# Altium PCB rev6.PcbDoc (part 1 of 4)
Units mil, origin at the board's own origin, x right, y up, seen from the top; angles counter-clockwise.
Board outline 1000 x 900 mil, 2 copper layers (Top Layer, Bottom Layer); 180 components, 16 nets, 1920 pads, 0 vias.
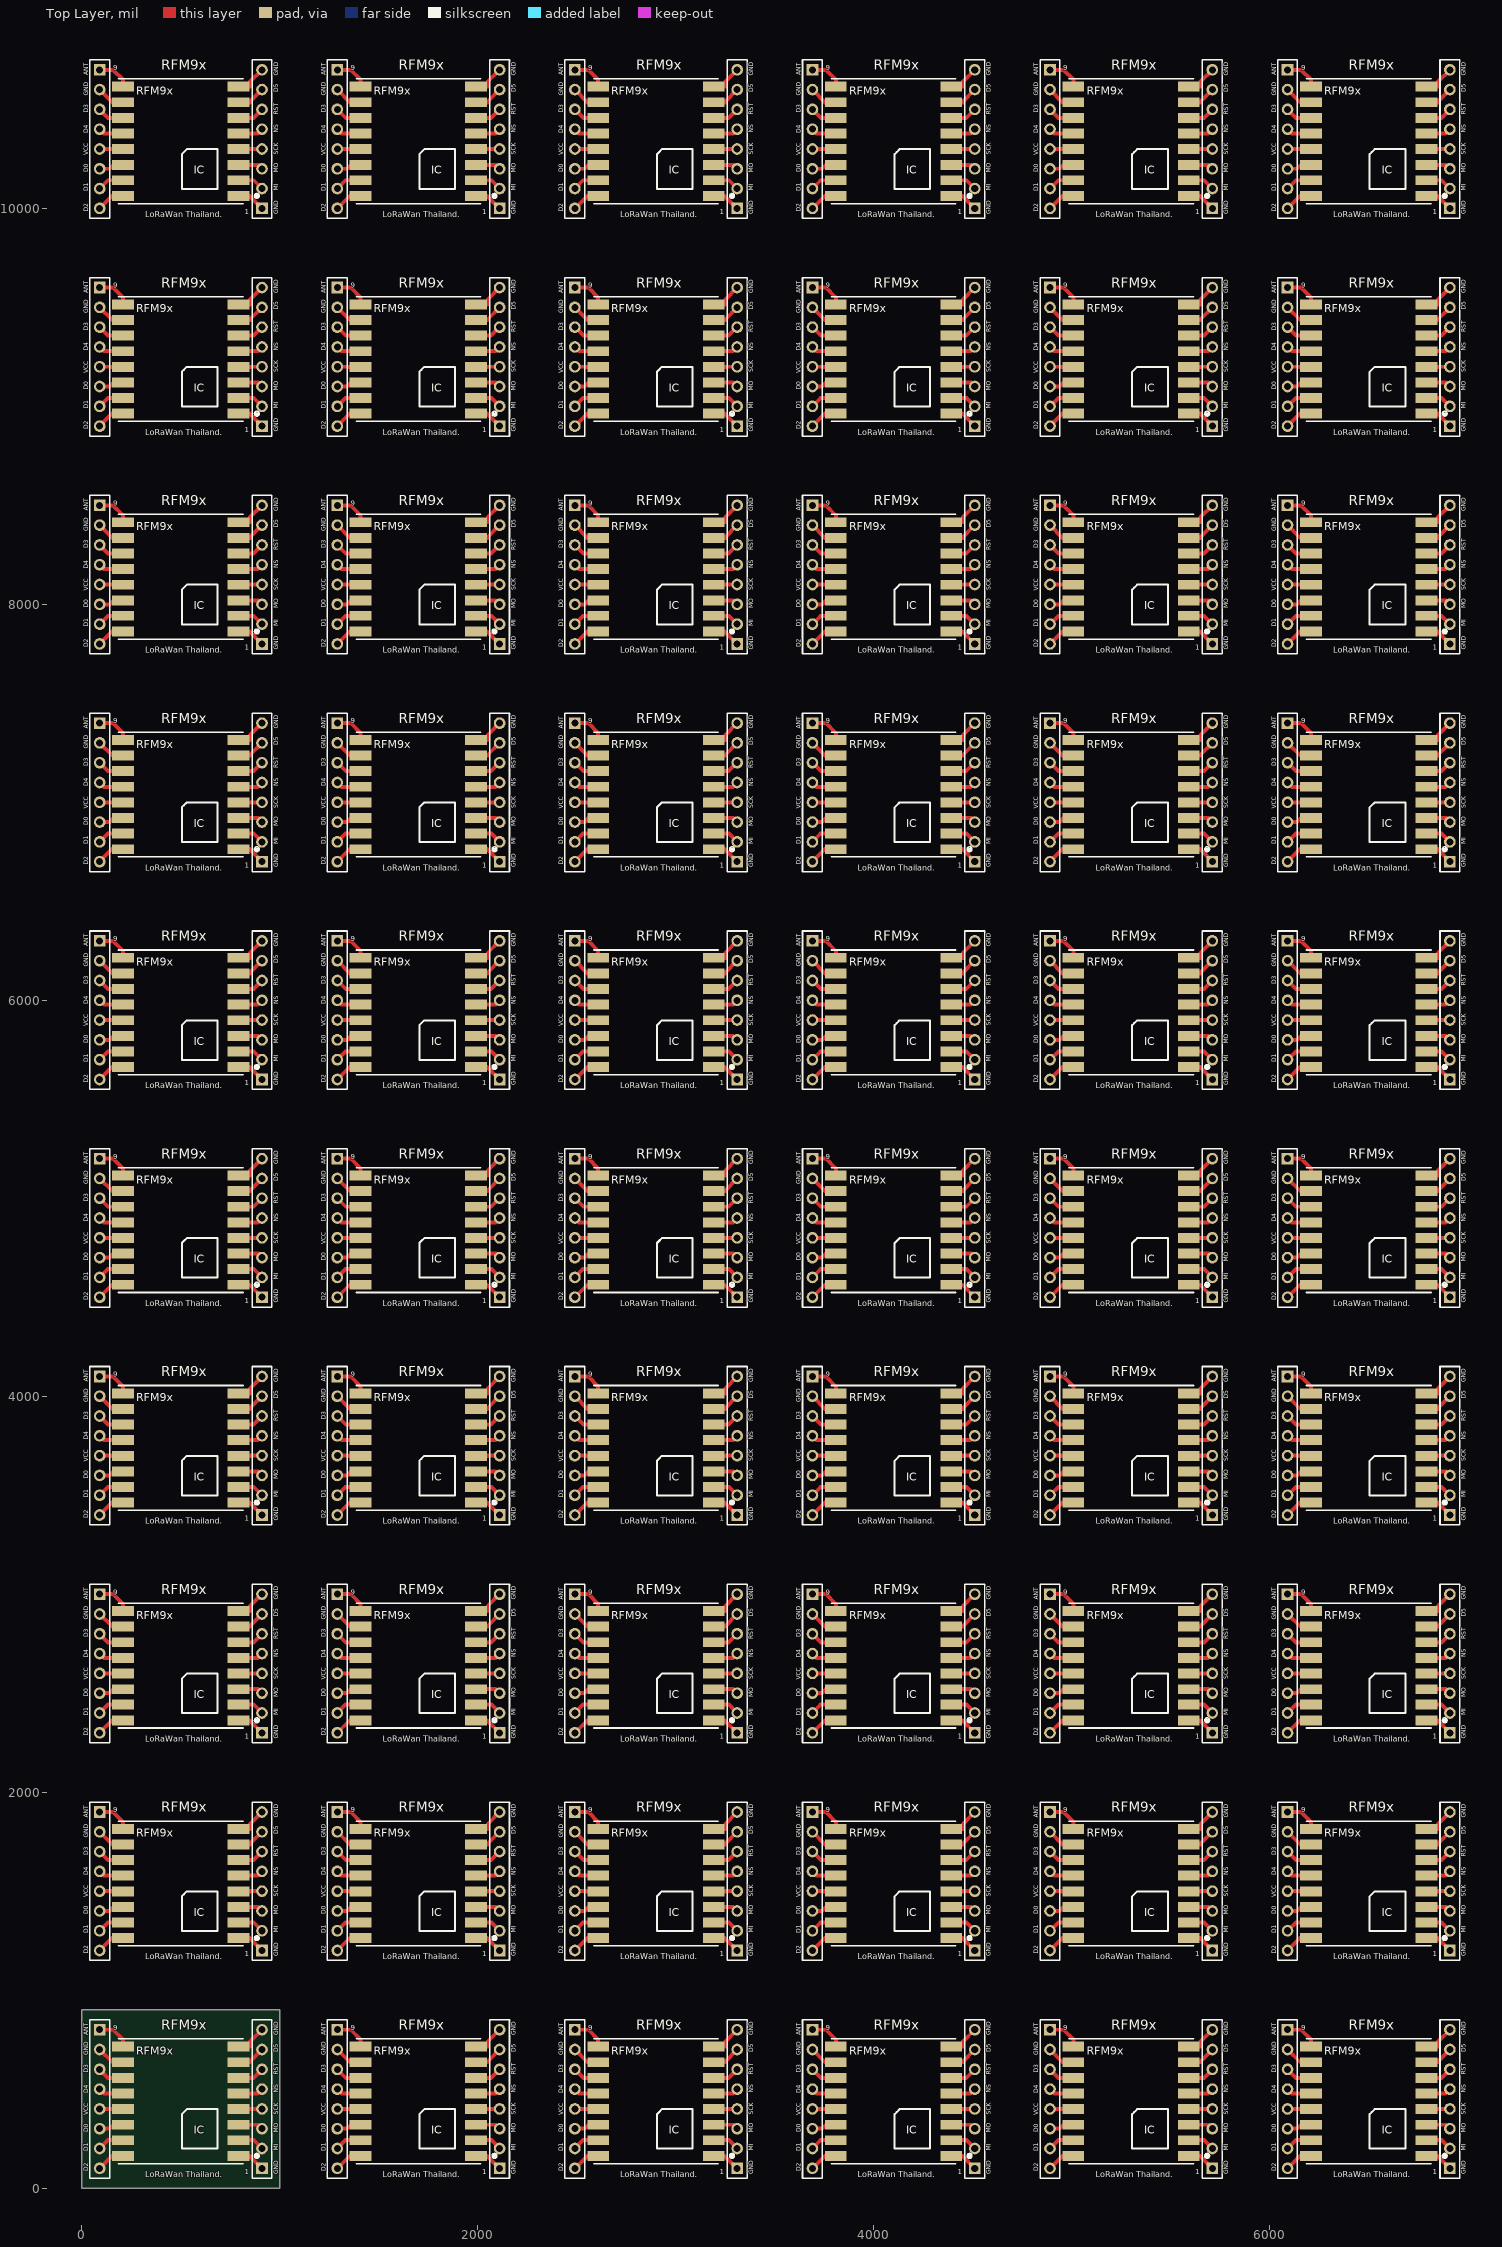
[diagram p0: Top Layer view]
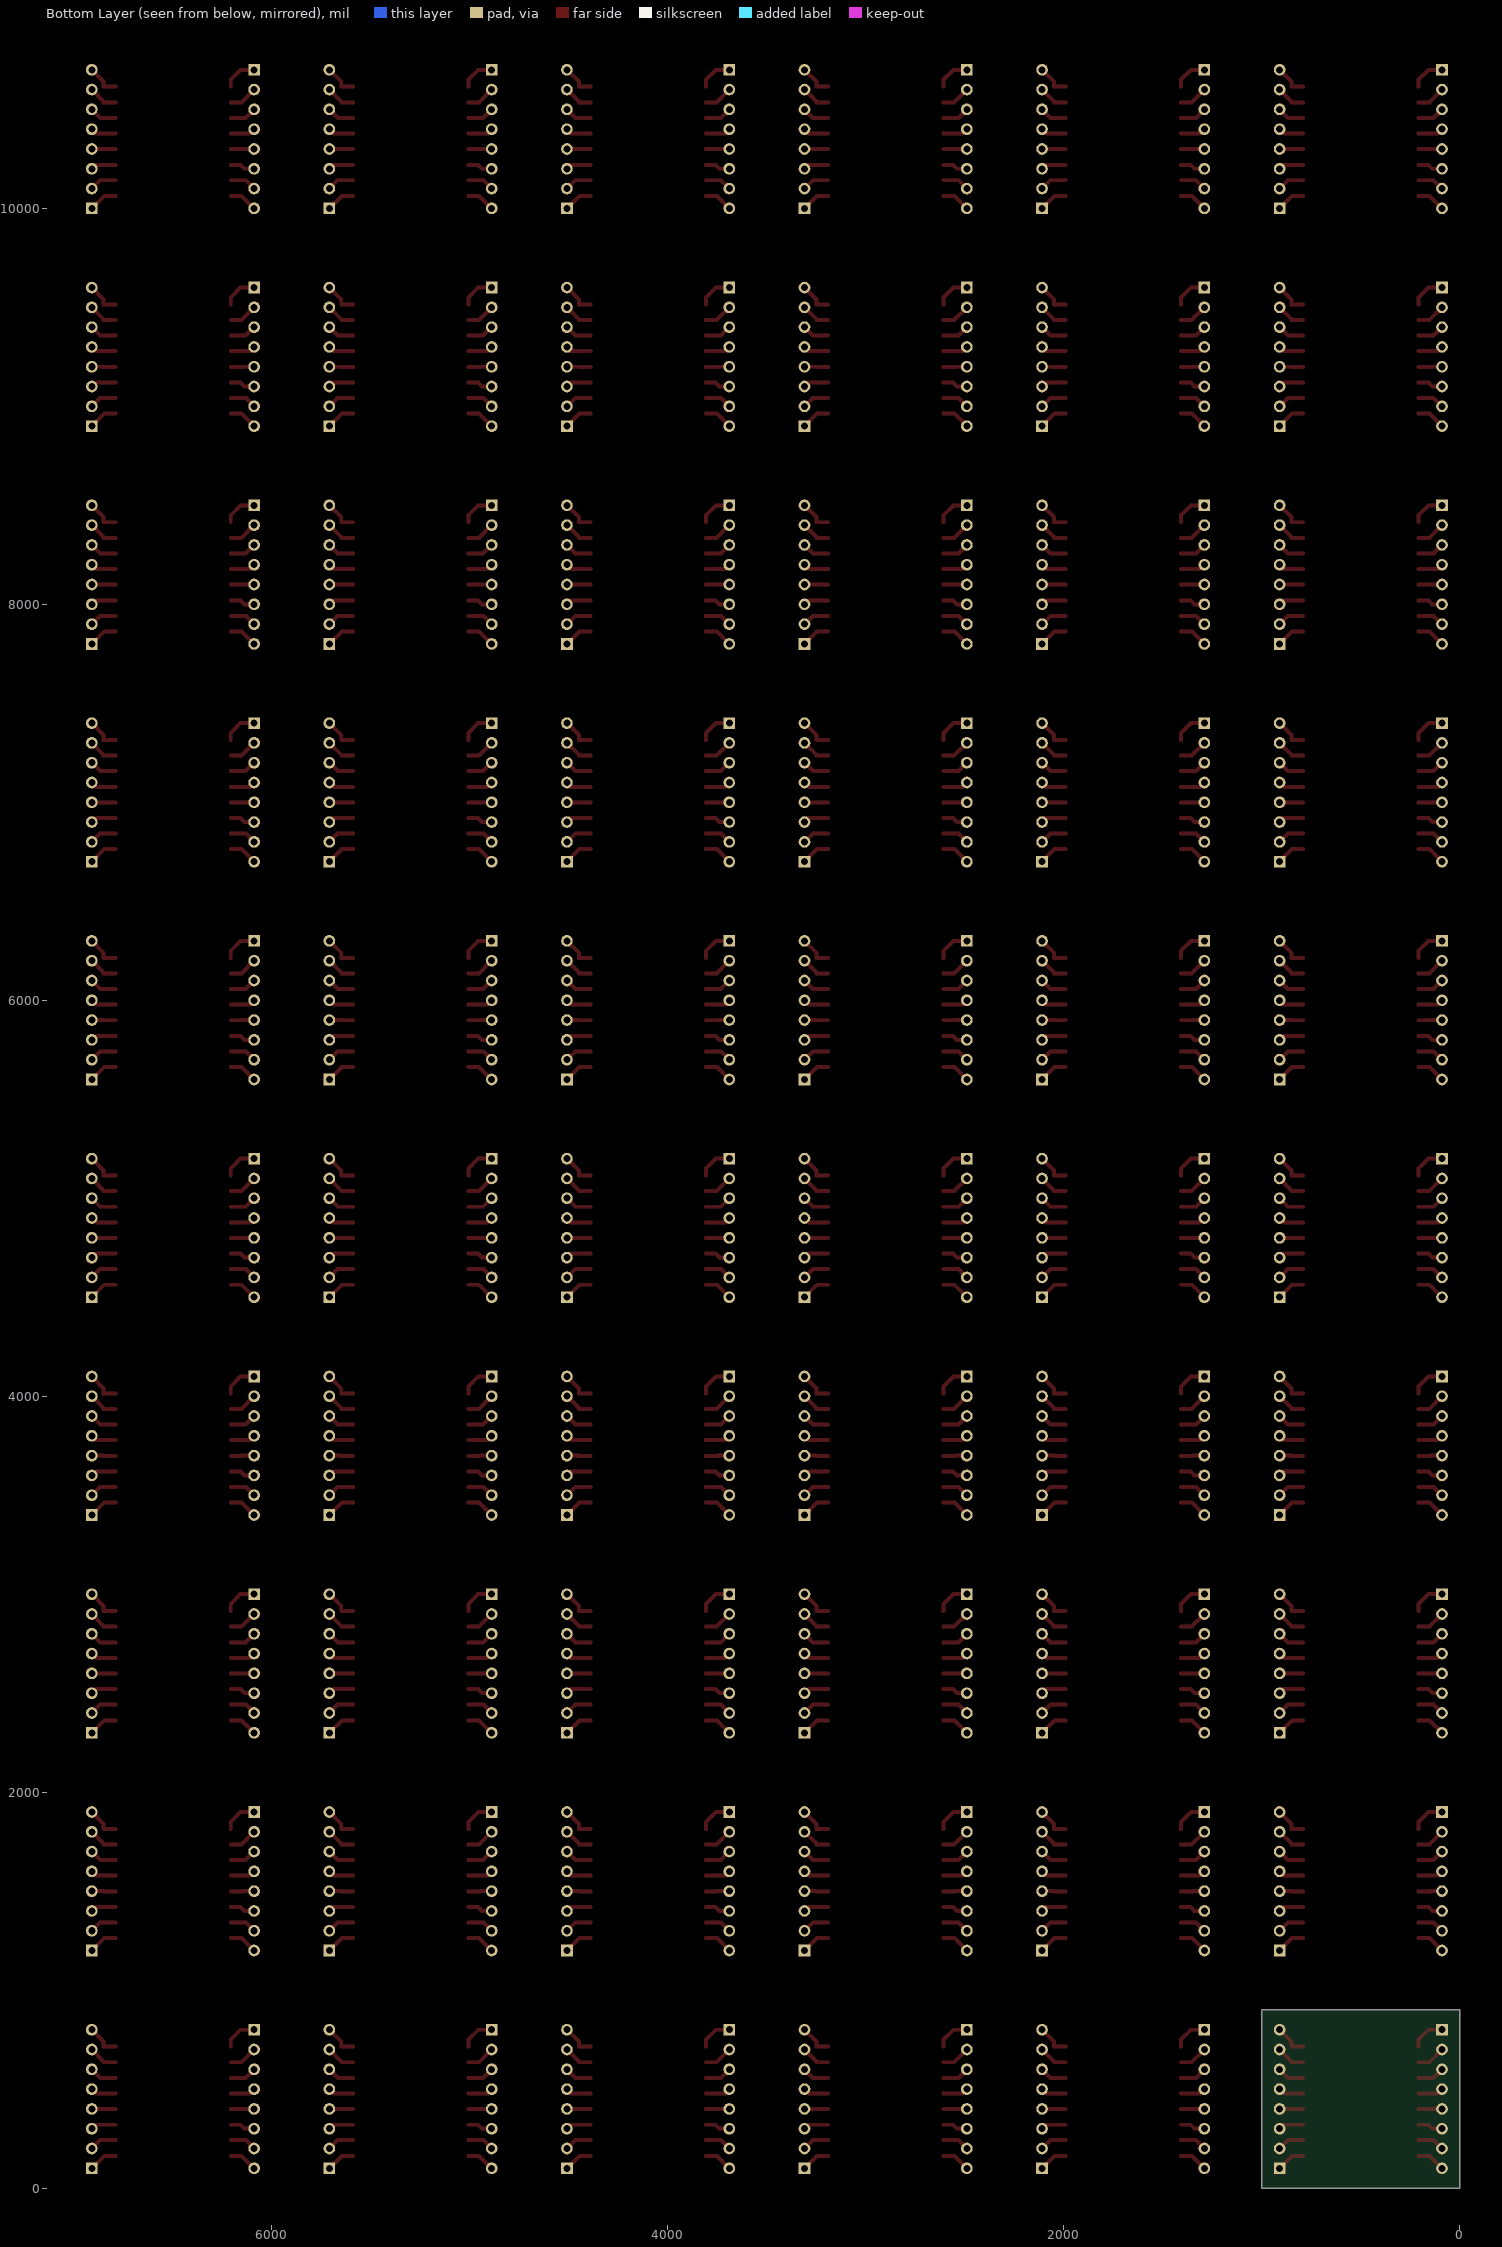
[diagram p1: Bottom Layer view, seen from below]

## Layer stack, top to bottom
Top Solder: solder mask 0.4, Solder Resist, Dk 3.5
Top Layer: signal copper 1.4
Dielectric 1: dielectric 12.6, FR-4, Dk 4.8
Bottom Layer: signal copper 1.4
Bottom Solder: solder mask 0.4, Solder Resist, Dk 3.5

## Board outline
0,0 1000,0 1000,900 0,900

## Design rules (kind name [scope] priority, off if disabled: settings)
Clearance [All] p1: gap=20
PolygonConnect [All] p1: connectstyle=Relief reliefconductorwidth=10 reliefentries=4 polygonreliefangle="90 Angle" airgapwidth=10
RoutingVias [All] p1: holewidth=28 width=50 viastyle="Through Hole" minholewidth=28 minwidth=50 maxholewidth=28 maxwidth=50
SolderMaskExpansion [All] p1: expansion=4
Width [All] p1: maxlimit=20 minlimit=20 preferedwidth=20
30 further rules are at their usual default settings.

## Components (designator, comment, footprint, x,y, rotation, side; value= is the part's Value field where it differs from the comment)
1 "Header 8" HDR1X8 6910,10000 r90 top (schematic designator P1)
1 "Header 8" HDR1X8 5710,10000 r90 top (schematic designator P1)
1 "Header 8" HDR1X8 4510,10000 r90 top (schematic designator P1)
1 "Header 8" HDR1X8 3310,10000 r90 top (schematic designator P1)
1 "Header 8" HDR1X8 2110,10000 r90 top (schematic designator P1)
1 "Header 8" HDR1X8 910,10000 r90 top (schematic designator P1)
1 "Header 8" HDR1X8 6910,8900 r90 top (schematic designator P1)
1 "Header 8" HDR1X8 5710,8900 r90 top (schematic designator P1)
1 "Header 8" HDR1X8 4510,8900 r90 top (schematic designator P1)
1 "Header 8" HDR1X8 3310,8900 r90 top (schematic designator P1)
1 "Header 8" HDR1X8 2110,8900 r90 top (schematic designator P1)
1 "Header 8" HDR1X8 910,8900 r90 top (schematic designator P1)
1 "Header 8" HDR1X8 6910,6700 r90 top (schematic designator P1)
1 "Header 8" HDR1X8 6910,2300 r90 top (schematic designator P1)
1 "Header 8" HDR1X8 6910,7800 r90 top (schematic designator P1)
1 "Header 8" HDR1X8 6910,5600 r90 top (schematic designator P1)
1 "Header 8" HDR1X8 6910,4500 r90 top (schematic designator P1)
1 "Header 8" HDR1X8 6910,3400 r90 top (schematic designator P1)
1 "Header 8" HDR1X8 6910,1200 r90 top (schematic designator P1)
1 "Header 8" HDR1X8 6910,100 r90 top (schematic designator P1)
1 "Header 8" HDR1X8 5710,7800 r90 top (schematic designator P1)
1 "Header 8" HDR1X8 4510,7800 r90 top (schematic designator P1)
1 "Header 8" HDR1X8 3310,7800 r90 top (schematic designator P1)
1 "Header 8" HDR1X8 2110,7800 r90 top (schematic designator P1)
1 "Header 8" HDR1X8 910,7800 r90 top (schematic designator P1)
1 "Header 8" HDR1X8 5710,6700 r90 top (schematic designator P1)
1 "Header 8" HDR1X8 4510,6700 r90 top (schematic designator P1)
1 "Header 8" HDR1X8 3310,6700 r90 top (schematic designator P1)
1 "Header 8" HDR1X8 2110,6700 r90 top (schematic designator P1)
1 "Header 8" HDR1X8 910,6700 r90 top (schematic designator P1)
1 "Header 8" HDR1X8 5710,5600 r90 top (schematic designator P1)
1 "Header 8" HDR1X8 4510,5600 r90 top (schematic designator P1)
1 "Header 8" HDR1X8 3310,5600 r90 top (schematic designator P1)
1 "Header 8" HDR1X8 2110,5600 r90 top (schematic designator P1)
1 "Header 8" HDR1X8 910,5600 r90 top (schematic designator P1)
1 "Header 8" HDR1X8 5710,4500 r90 top (schematic designator P1)
1 "Header 8" HDR1X8 4510,4500 r90 top (schematic designator P1)
1 "Header 8" HDR1X8 3310,4500 r90 top (schematic designator P1)
1 "Header 8" HDR1X8 2110,4500 r90 top (schematic designator P1)
1 "Header 8" HDR1X8 910,4500 r90 top (schematic designator P1)
1 "Header 8" HDR1X8 5710,3400 r90 top (schematic designator P1)
1 "Header 8" HDR1X8 4510,3400 r90 top (schematic designator P1)
1 "Header 8" HDR1X8 3310,3400 r90 top (schematic designator P1)
1 "Header 8" HDR1X8 2110,3400 r90 top (schematic designator P1)
1 "Header 8" HDR1X8 910,3400 r90 top (schematic designator P1)
1 "Header 8" HDR1X8 5710,2300 r90 top (schematic designator P1)
1 "Header 8" HDR1X8 4510,2300 r90 top (schematic designator P1)
1 "Header 8" HDR1X8 3310,2300 r90 top (schematic designator P1)
1 "Header 8" HDR1X8 2110,2300 r90 top (schematic designator P1)
1 "Header 8" HDR1X8 910,2300 r90 top (schematic designator P1)
1 "Header 8" HDR1X8 5710,1200 r90 top (schematic designator P1)
1 "Header 8" HDR1X8 4510,1200 r90 top (schematic designator P1)
1 "Header 8" HDR1X8 3310,1200 r90 top (schematic designator P1)
1 "Header 8" HDR1X8 2110,1200 r90 top (schematic designator P1)
1 "Header 8" HDR1X8 910,1200 r90 top (schematic designator P1)
1 "Header 8" HDR1X8 5710,100 r90 top (schematic designator P1)
1 "Header 8" HDR1X8 4510,100 r90 top (schematic designator P1)
1 "Header 8" HDR1X8 3310,100 r90 top (schematic designator P1)
1 "Header 8" HDR1X8 2110,100 r90 top (schematic designator P1)
1 "Header 8" HDR1X8 910,100 r90 top (schematic designator P1)
9 "Header 8" HDR1X8 6090,10700 r270 top (schematic designator P2)
9 "Header 8" HDR1X8 4890,10700 r270 top (schematic designator P2)
9 "Header 8" HDR1X8 3690,10700 r270 top (schematic designator P2)
9 "Header 8" HDR1X8 2490,10700 r270 top (schematic designator P2)
9 "Header 8" HDR1X8 1290,10700 r270 top (schematic designator P2)
9 "Header 8" HDR1X8 90,10700 r270 top (schematic designator P2)
9 "Header 8" HDR1X8 6090,9600 r270 top (schematic designator P2)
9 "Header 8" HDR1X8 4890,9600 r270 top (schematic designator P2)
9 "Header 8" HDR1X8 3690,9600 r270 top (schematic designator P2)
9 "Header 8" HDR1X8 2490,9600 r270 top (schematic designator P2)
9 "Header 8" HDR1X8 1290,9600 r270 top (schematic designator P2)
9 "Header 8" HDR1X8 90,9600 r270 top (schematic designator P2)
9 "Header 8" HDR1X8 6090,5200 r270 top (schematic designator P2)
9 "Header 8" HDR1X8 6090,8500 r270 top (schematic designator P2)
9 "Header 8" HDR1X8 6090,4100 r270 top (schematic designator P2)
9 "Header 8" HDR1X8 6090,3000 r270 top (schematic designator P2)
9 "Header 8" HDR1X8 6090,1900 r270 top (schematic designator P2)
9 "Header 8" HDR1X8 6090,800 r270 top (schematic designator P2)
9 "Header 8" HDR1X8 6090,7400 r270 top (schematic designator P2)
9 "Header 8" HDR1X8 6090,6300 r270 top (schematic designator P2)
9 "Header 8" HDR1X8 4890,8500 r270 top (schematic designator P2)
9 "Header 8" HDR1X8 2490,8500 r270 top (schematic designator P2)
9 "Header 8" HDR1X8 90,8500 r270 top (schematic designator P2)
9 "Header 8" HDR1X8 3690,8500 r270 top (schematic designator P2)
9 "Header 8" HDR1X8 1290,8500 r270 top (schematic designator P2)
9 "Header 8" HDR1X8 4890,7400 r270 top (schematic designator P2)
9 "Header 8" HDR1X8 2490,7400 r270 top (schematic designator P2)
9 "Header 8" HDR1X8 90,7400 r270 top (schematic designator P2)
9 "Header 8" HDR1X8 3690,7400 r270 top (schematic designator P2)
9 "Header 8" HDR1X8 1290,7400 r270 top (schematic designator P2)
9 "Header 8" HDR1X8 4890,6300 r270 top (schematic designator P2)
9 "Header 8" HDR1X8 2490,6300 r270 top (schematic designator P2)
9 "Header 8" HDR1X8 90,6300 r270 top (schematic designator P2)
9 "Header 8" HDR1X8 3690,6300 r270 top (schematic designator P2)
9 "Header 8" HDR1X8 1290,6300 r270 top (schematic designator P2)
9 "Header 8" HDR1X8 4890,5200 r270 top (schematic designator P2)
9 "Header 8" HDR1X8 2490,5200 r270 top (schematic designator P2)
9 "Header 8" HDR1X8 90,5200 r270 top (schematic designator P2)
9 "Header 8" HDR1X8 3690,5200 r270 top (schematic designator P2)
9 "Header 8" HDR1X8 1290,5200 r270 top (schematic designator P2)
9 "Header 8" HDR1X8 4890,4100 r270 top (schematic designator P2)
9 "Header 8" HDR1X8 2490,4100 r270 top (schematic designator P2)
9 "Header 8" HDR1X8 90,4100 r270 top (schematic designator P2)
9 "Header 8" HDR1X8 3690,4100 r270 top (schematic designator P2)
9 "Header 8" HDR1X8 1290,4100 r270 top (schematic designator P2)
9 "Header 8" HDR1X8 4890,3000 r270 top (schematic designator P2)
9 "Header 8" HDR1X8 2490,3000 r270 top (schematic designator P2)
9 "Header 8" HDR1X8 90,3000 r270 top (schematic designator P2)
9 "Header 8" HDR1X8 3690,3000 r270 top (schematic designator P2)
9 "Header 8" HDR1X8 1290,3000 r270 top (schematic designator P2)
9 "Header 8" HDR1X8 4890,1900 r270 top (schematic designator P2)
9 "Header 8" HDR1X8 2490,1900 r270 top (schematic designator P2)
9 "Header 8" HDR1X8 90,1900 r270 top (schematic designator P2)
9 "Header 8" HDR1X8 3690,1900 r270 top (schematic designator P2)
9 "Header 8" HDR1X8 1290,1900 r270 top (schematic designator P2)
9 "Header 8" HDR1X8 4890,800 r270 top (schematic designator P2)
9 "Header 8" HDR1X8 3690,800 r270 top (schematic designator P2)
9 "Header 8" HDR1X8 2490,800 r270 top (schematic designator P2)
9 "Header 8" HDR1X8 1290,800 r270 top (schematic designator P2)
9 "Header 8" HDR1X8 90,800 r270 top (schematic designator P2)
RFM9x "LoRa SX1276" XCVR_RFM95W-868S2 6500,10339 r180 top
RFM9x "LoRa SX1276" XCVR_RFM95W-868S2 5300,10339 r180 top
RFM9x "LoRa SX1276" XCVR_RFM95W-868S2 4100,10339 r180 top
RFM9x "LoRa SX1276" XCVR_RFM95W-868S2 2900,10339 r180 top
RFM9x "LoRa SX1276" XCVR_RFM95W-868S2 1700,10339 r180 top
RFM9x "LoRa SX1276" XCVR_RFM95W-868S2 500,10339 r180 top
RFM9x "LoRa SX1276" XCVR_RFM95W-868S2 6500,9239 r180 top
RFM9x "LoRa SX1276" XCVR_RFM95W-868S2 5300,9239 r180 top
RFM9x "LoRa SX1276" XCVR_RFM95W-868S2 4100,9239 r180 top
RFM9x "LoRa SX1276" XCVR_RFM95W-868S2 2900,9239 r180 top
RFM9x "LoRa SX1276" XCVR_RFM95W-868S2 1700,9239 r180 top
RFM9x "LoRa SX1276" XCVR_RFM95W-868S2 500,9239 r180 top
RFM9x "LoRa SX1276" XCVR_RFM95W-868S2 6500,8139 r180 top
RFM9x "LoRa SX1276" XCVR_RFM95W-868S2 6500,7039 r180 top
RFM9x "LoRa SX1276" XCVR_RFM95W-868S2 6500,5939 r180 top
RFM9x "LoRa SX1276" XCVR_RFM95W-868S2 6500,4839 r180 top
RFM9x "LoRa SX1276" XCVR_RFM95W-868S2 6500,3739 r180 top
RFM9x "LoRa SX1276" XCVR_RFM95W-868S2 6500,2639 r180 top
RFM9x "LoRa SX1276" XCVR_RFM95W-868S2 6500,1539 r180 top
RFM9x "LoRa SX1276" XCVR_RFM95W-868S2 6500,439 r180 top
RFM9x "LoRa SX1276" XCVR_RFM95W-868S2 5300,8139 r180 top
RFM9x "LoRa SX1276" XCVR_RFM95W-868S2 4100,8139 r180 top
RFM9x "LoRa SX1276" XCVR_RFM95W-868S2 2900,8139 r180 top
RFM9x "LoRa SX1276" XCVR_RFM95W-868S2 1700,8139 r180 top
RFM9x "LoRa SX1276" XCVR_RFM95W-868S2 500,8139 r180 top
RFM9x "LoRa SX1276" XCVR_RFM95W-868S2 5300,7039 r180 top
RFM9x "LoRa SX1276" XCVR_RFM95W-868S2 4100,7039 r180 top
RFM9x "LoRa SX1276" XCVR_RFM95W-868S2 2900,7039 r180 top
RFM9x "LoRa SX1276" XCVR_RFM95W-868S2 1700,7039 r180 top
RFM9x "LoRa SX1276" XCVR_RFM95W-868S2 500,7039 r180 top
RFM9x "LoRa SX1276" XCVR_RFM95W-868S2 5300,5939 r180 top
RFM9x "LoRa SX1276" XCVR_RFM95W-868S2 4100,5939 r180 top
RFM9x "LoRa SX1276" XCVR_RFM95W-868S2 2900,5939 r180 top
RFM9x "LoRa SX1276" XCVR_RFM95W-868S2 1700,5939 r180 top
RFM9x "LoRa SX1276" XCVR_RFM95W-868S2 500,5939 r180 top
RFM9x "LoRa SX1276" XCVR_RFM95W-868S2 5300,4839 r180 top
RFM9x "LoRa SX1276" XCVR_RFM95W-868S2 4100,4839 r180 top
RFM9x "LoRa SX1276" XCVR_RFM95W-868S2 2900,4839 r180 top
RFM9x "LoRa SX1276" XCVR_RFM95W-868S2 1700,4839 r180 top
RFM9x "LoRa SX1276" XCVR_RFM95W-868S2 500,4839 r180 top
RFM9x "LoRa SX1276" XCVR_RFM95W-868S2 5300,3739 r180 top
RFM9x "LoRa SX1276" XCVR_RFM95W-868S2 4100,3739 r180 top
RFM9x "LoRa SX1276" XCVR_RFM95W-868S2 2900,3739 r180 top
RFM9x "LoRa SX1276" XCVR_RFM95W-868S2 1700,3739 r180 top
RFM9x "LoRa SX1276" XCVR_RFM95W-868S2 500,3739 r180 top
RFM9x "LoRa SX1276" XCVR_RFM95W-868S2 5300,2639 r180 top
RFM9x "LoRa SX1276" XCVR_RFM95W-868S2 4100,2639 r180 top
RFM9x "LoRa SX1276" XCVR_RFM95W-868S2 2900,2639 r180 top
RFM9x "LoRa SX1276" XCVR_RFM95W-868S2 1700,2639 r180 top
RFM9x "LoRa SX1276" XCVR_RFM95W-868S2 500,2639 r180 top
RFM9x "LoRa SX1276" XCVR_RFM95W-868S2 5300,1539 r180 top
RFM9x "LoRa SX1276" XCVR_RFM95W-868S2 4100,1539 r180 top
RFM9x "LoRa SX1276" XCVR_RFM95W-868S2 2900,1539 r180 top
RFM9x "LoRa SX1276" XCVR_RFM95W-868S2 1700,1539 r180 top
RFM9x "LoRa SX1276" XCVR_RFM95W-868S2 500,1539 r180 top
RFM9x "LoRa SX1276" XCVR_RFM95W-868S2 5300,439 r180 top
RFM9x "LoRa SX1276" XCVR_RFM95W-868S2 4100,439 r180 top
RFM9x "LoRa SX1276" XCVR_RFM95W-868S2 2900,439 r180 top
RFM9x "LoRa SX1276" XCVR_RFM95W-868S2 1700,439 r180 top
RFM9x "LoRa SX1276" XCVR_RFM95W-868S2 500,439 r180 top

## Footprints (in the part's own frame and the unit in brackets; to place one, negate y for a bottom-side part, rotate by r counter-clockwise, add the part's x,y. Pads: shape width x height; smd on the part's side, far side on the other; paste and mask are expansions set on the pad)
HDR1X8 [mm] "Connector; Header; 8 Position"
  rect 1.5x1.5 hole 0.9: 1(0,0)
  round 1.5 hole 0.9: 2(2.54,0) 3(5.08,0) 4(7.62,0) 5(10.16,0) 6(12.7,0) 7(15.24,0) 8(17.78,0)
  silkscreen extent -1.27,-1.27 19.05,1.27
XCVR_RFM95W-868S2 [mil]
  rect 110x50 smd: 1(-291.34,276) 2(-291.34,197) 3(-291.34,119) 4(-291.34,40) 5(-291.34,-39.37) 6(-291.34,-118.11) 7(-291.34,-196.85) 8(-291.34,-275.59) 9(292,-275.59) 10(292,-196.85) 11(292,-118.11) 12(292,-39.37) 13(292,40) 14(292,119) 15(292,197) 16(292,276)
  silkscreen extent -396,-315 315,315, body extent -315,-313 315,313, height 88

## Part data
1 1 1 1 1 1 1 1 1 1 1 1 1 1 1 1 1 1 1 1 1 1 1 1 1 1 1 1 1 1 1 1 1 1 1 1 1 1 1 1 1 1 1 1 1 1 1 1 1 1 1 1 1 1 1 1 1 1 1 1 9 9 9 9 9 9 9 9 9 9 9 9 9 9 9 9 9 9 9 9 9 9 9 9 9 9 9 9 9 9 9 9 9 9 9 9 9 9 9 9 9 9 9 9 9 9 9 9 9 9 9 9 9 9 9 9 9 9 9 9: "Header, 8-Pin"
RFM9x RFM9x RFM9x RFM9x RFM9x RFM9x RFM9x RFM9x RFM9x RFM9x RFM9x RFM9x RFM9x RFM9x RFM9x RFM9x RFM9x RFM9x RFM9x RFM9x RFM9x RFM9x RFM9x RFM9x RFM9x RFM9x RFM9x RFM9x RFM9x RFM9x RFM9x RFM9x RFM9x RFM9x RFM9x RFM9x RFM9x RFM9x RFM9x RFM9x RFM9x RFM9x RFM9x RFM9x RFM9x RFM9x RFM9x RFM9x RFM9x RFM9x RFM9x RFM9x RFM9x RFM9x RFM9x RFM9x RFM9x RFM9x RFM9x RFM9x: library part RFM95W-868S2

## Nets (pads, with @x,y where several pads share a name; then routed paths per layer and width w, separated by ;. In a path a pad name is that pad's centre, name@x,y a point inside that pad or via, vN(x,y) a via of type N, cw(c..) or ccw(c..) an arc to the next point about the centre after c; other vN are vias at no path point)
NetP1_1: 1.1@910,100 RFM9x.1@791.34,163 | length 144.8
  Top Layer w20: RFM9x.1@791.34,163 847,163 1.1@910,100
NetP1_2: 1.2@910,200 RFM9x.2@791.34,242 | length 136.1
  Top Layer w20: RFM9x.2@791.34,242 868,242 1.2@910,200
NetP1_3: 1.3@910,300 RFM9x.3@791.34,320 | length 126.9
  Top Layer w20: RFM9x.3@791.34,320 890,320 1.3@910,300
NetP1_4: 1.4@910,400 RFM9x.4@791.34,399 | length 119.1
  Top Layer w20: RFM9x.4@791.34,399 850,399 851,400 1.4@910,400
NetP1_5: 1.5@910,500 RFM9x.5@791.34,478.37 | length 127.6
  Top Layer w20: RFM9x.5@791.34,478.37 888.37,478.37 1.5@910,500
NetP1_6: 1.6@910,600 RFM9x.6@791.34,557.11 | length 136.4
  Top Layer w20: RFM9x.6@791.34,557.11 867.11,557.11 1.6@910,600
NetP1_7: 1.7@910,700 RFM9x.7@791.34,635.85 | length 147.7
  Top Layer w20: RFM9x.7@791.34,635.85 850,635.85 850,640 1.7@910,700
NetP1_8: 1.8@910,800 RFM9x.8@791.34,714.59 | length 168.9
  Top Layer w20: RFM9x.8@791.34,714.59 850,714.59 850,740 1.8@910,800
NetP2_1: 9.1@90,800 RFM9x.9@208,714.59 | length 174.1
  Top Layer w20: 9.1@90,800 158,800 208,750 RFM9x.9@208,714.59
NetP2_2: 9.2@90,700 RFM9x.10@208,635.85 | length 144.6
  Top Layer w20: 9.2@90,700 154.15,635.85 RFM9x.10@208,635.85
NetP2_3: 9.3@90,600 RFM9x.11@208,557.11 | length 135.8
  Top Layer w20: 9.3@90,600 132.89,557.11 RFM9x.11@208,557.11
NetP2_4: 9.4@90,500 RFM9x.12@208,478.37 | length 127
  Top Layer w20: 9.4@90,500 111.63,478.37 RFM9x.12@208,478.37
NetP2_5: 9.5@90,400 RFM9x.13@208,399 | length 118.4
  Top Layer w20: 9.5@90,400 148,400 149,399 RFM9x.13@208,399
NetP2_6: 9.6@90,300 RFM9x.14@208,320 | length 126.3
  Top Layer w20: 9.6@90,300 139,300 159,320 RFM9x.14@208,320
NetP2_7: 9.7@90,200 RFM9x.15@208,242 | length 135.4
  Top Layer w20: 9.7@90,200 132,242 RFM9x.15@208,242
NetP2_8: 9.8@90,100 RFM9x.16@208,163 | length 144.1
  Top Layer w20: 9.8@90,100 153,163 RFM9x.16@208,163